# Altium PCB Motherboard.PcbDoc (part 1 of 3)
Units mm, origin at the board's own origin, x right, y up, seen from the top; angles counter-clockwise.
Board outline 66 x 126 mm, 6 copper layers (Top Layer, GND1, Signal, PWR, GND2, Bottom Layer), stack 1.496 mm thick; 239 components, 210 nets, 1046 pads, 630 vias.
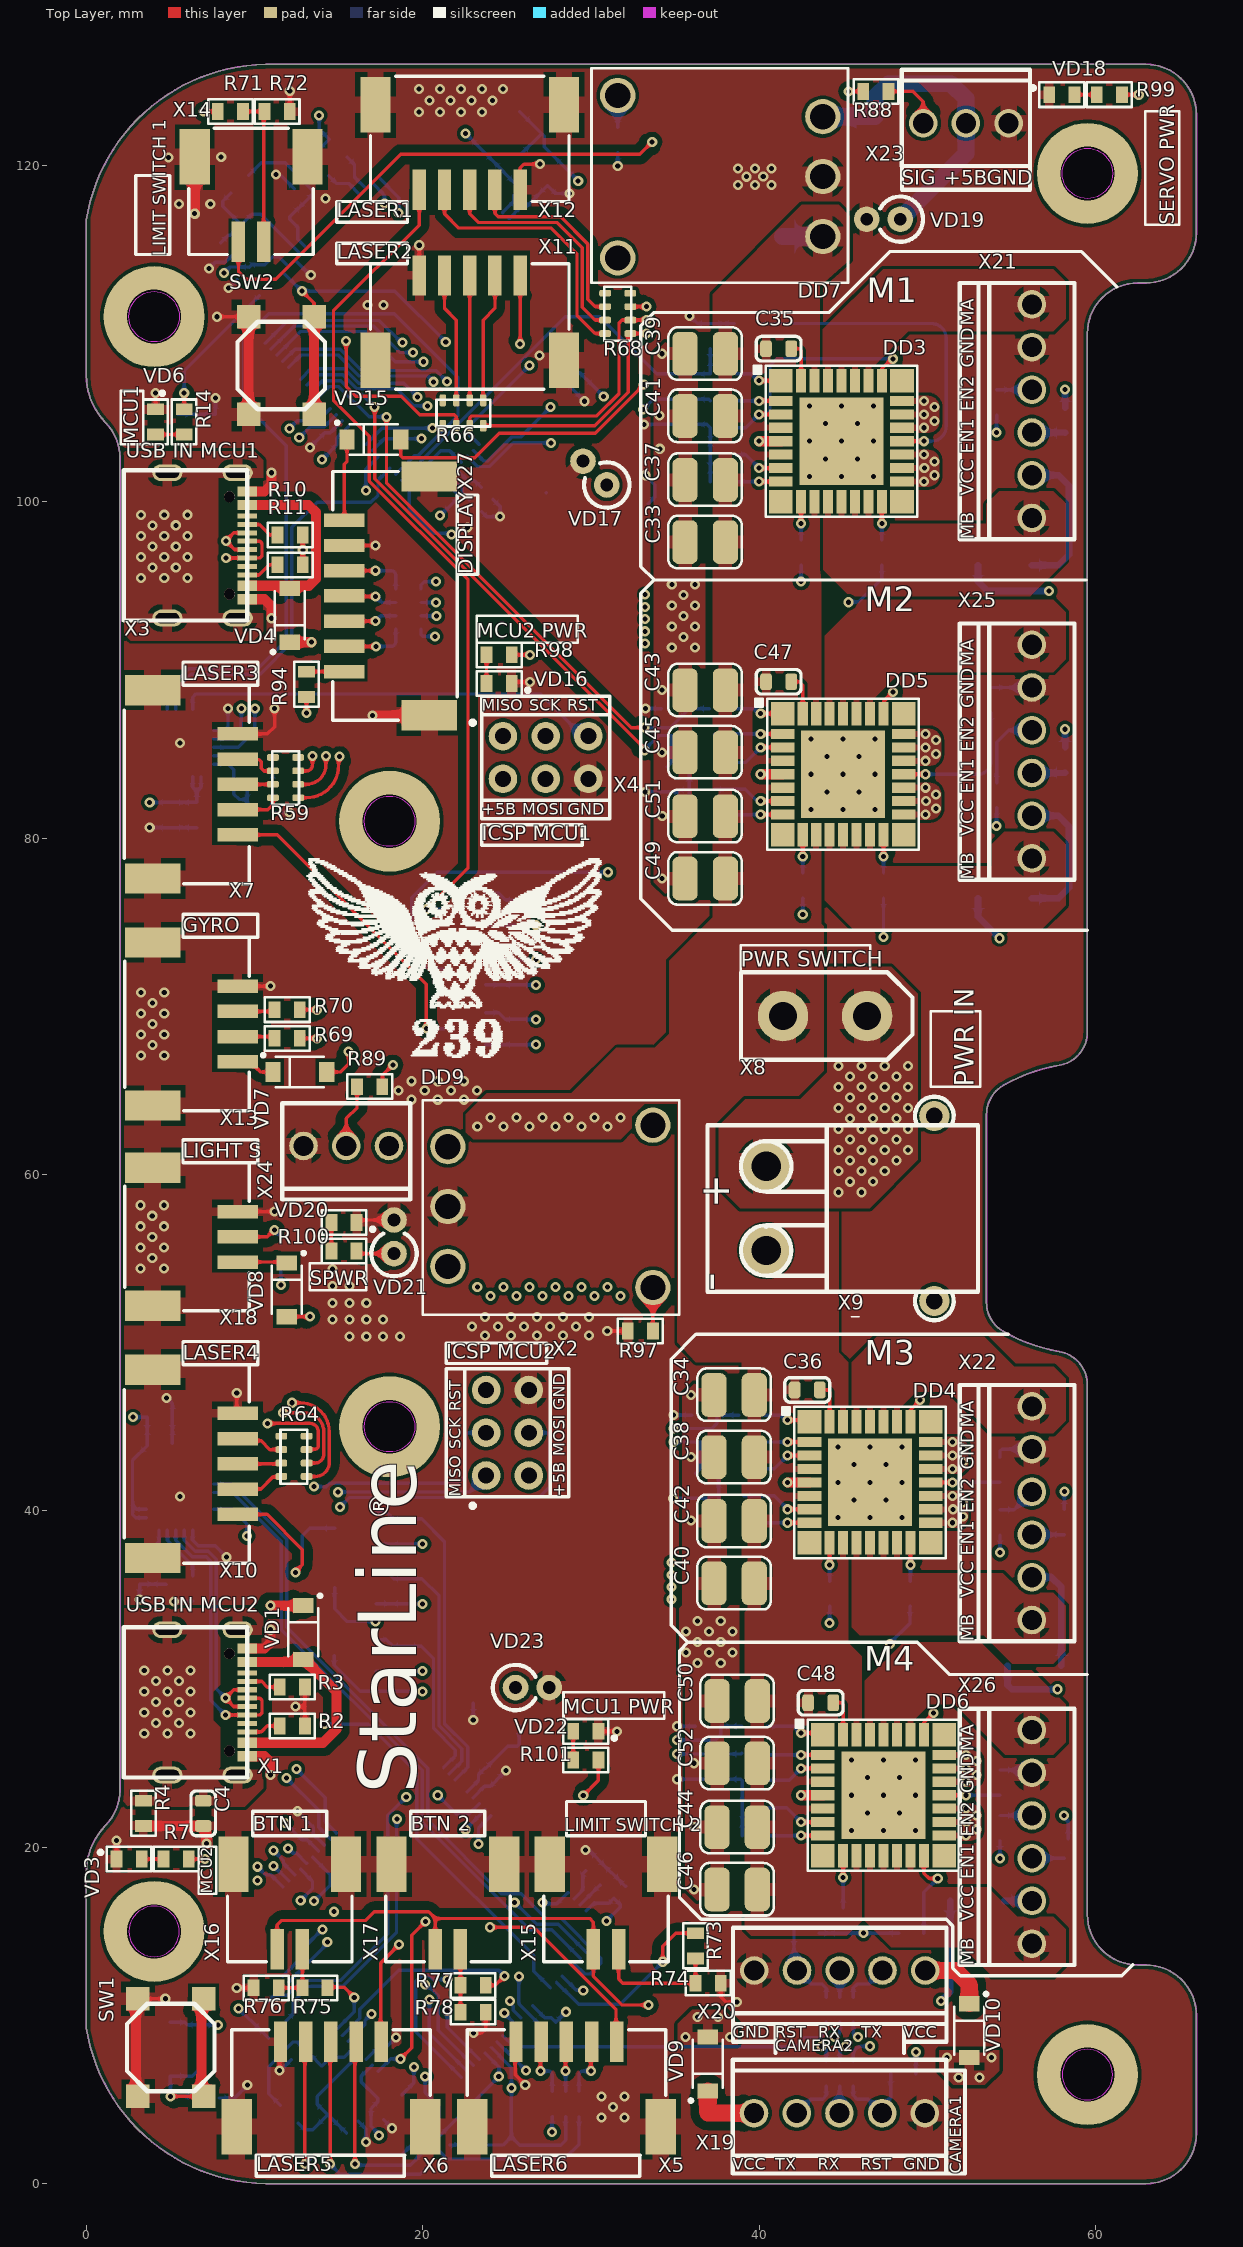
[diagram p0: Top Layer view]
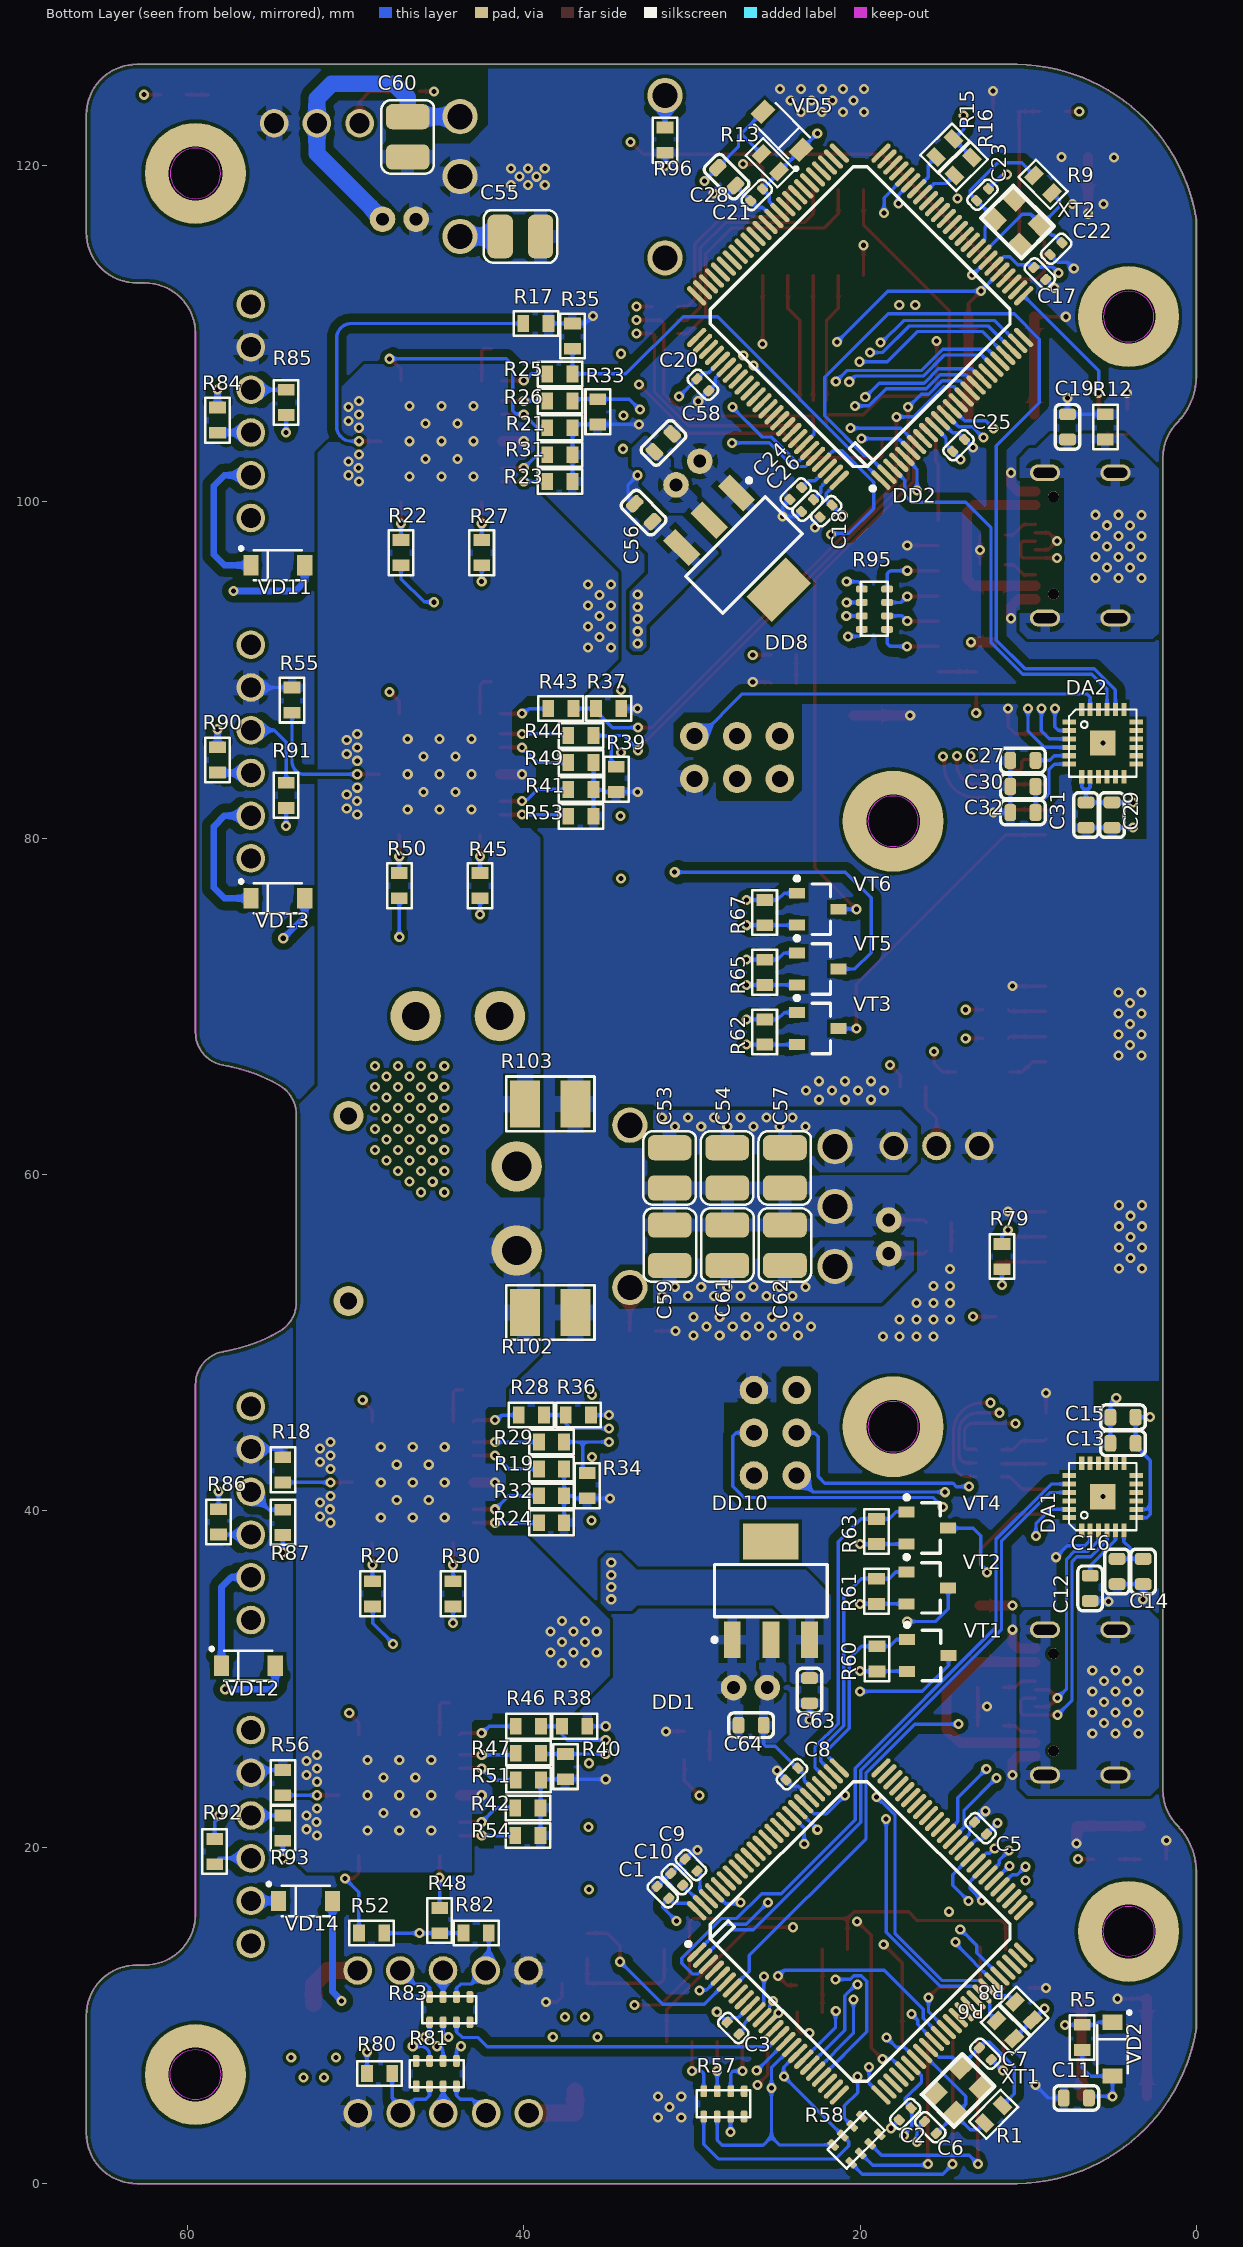
[diagram p1: Bottom Layer view, seen from below]
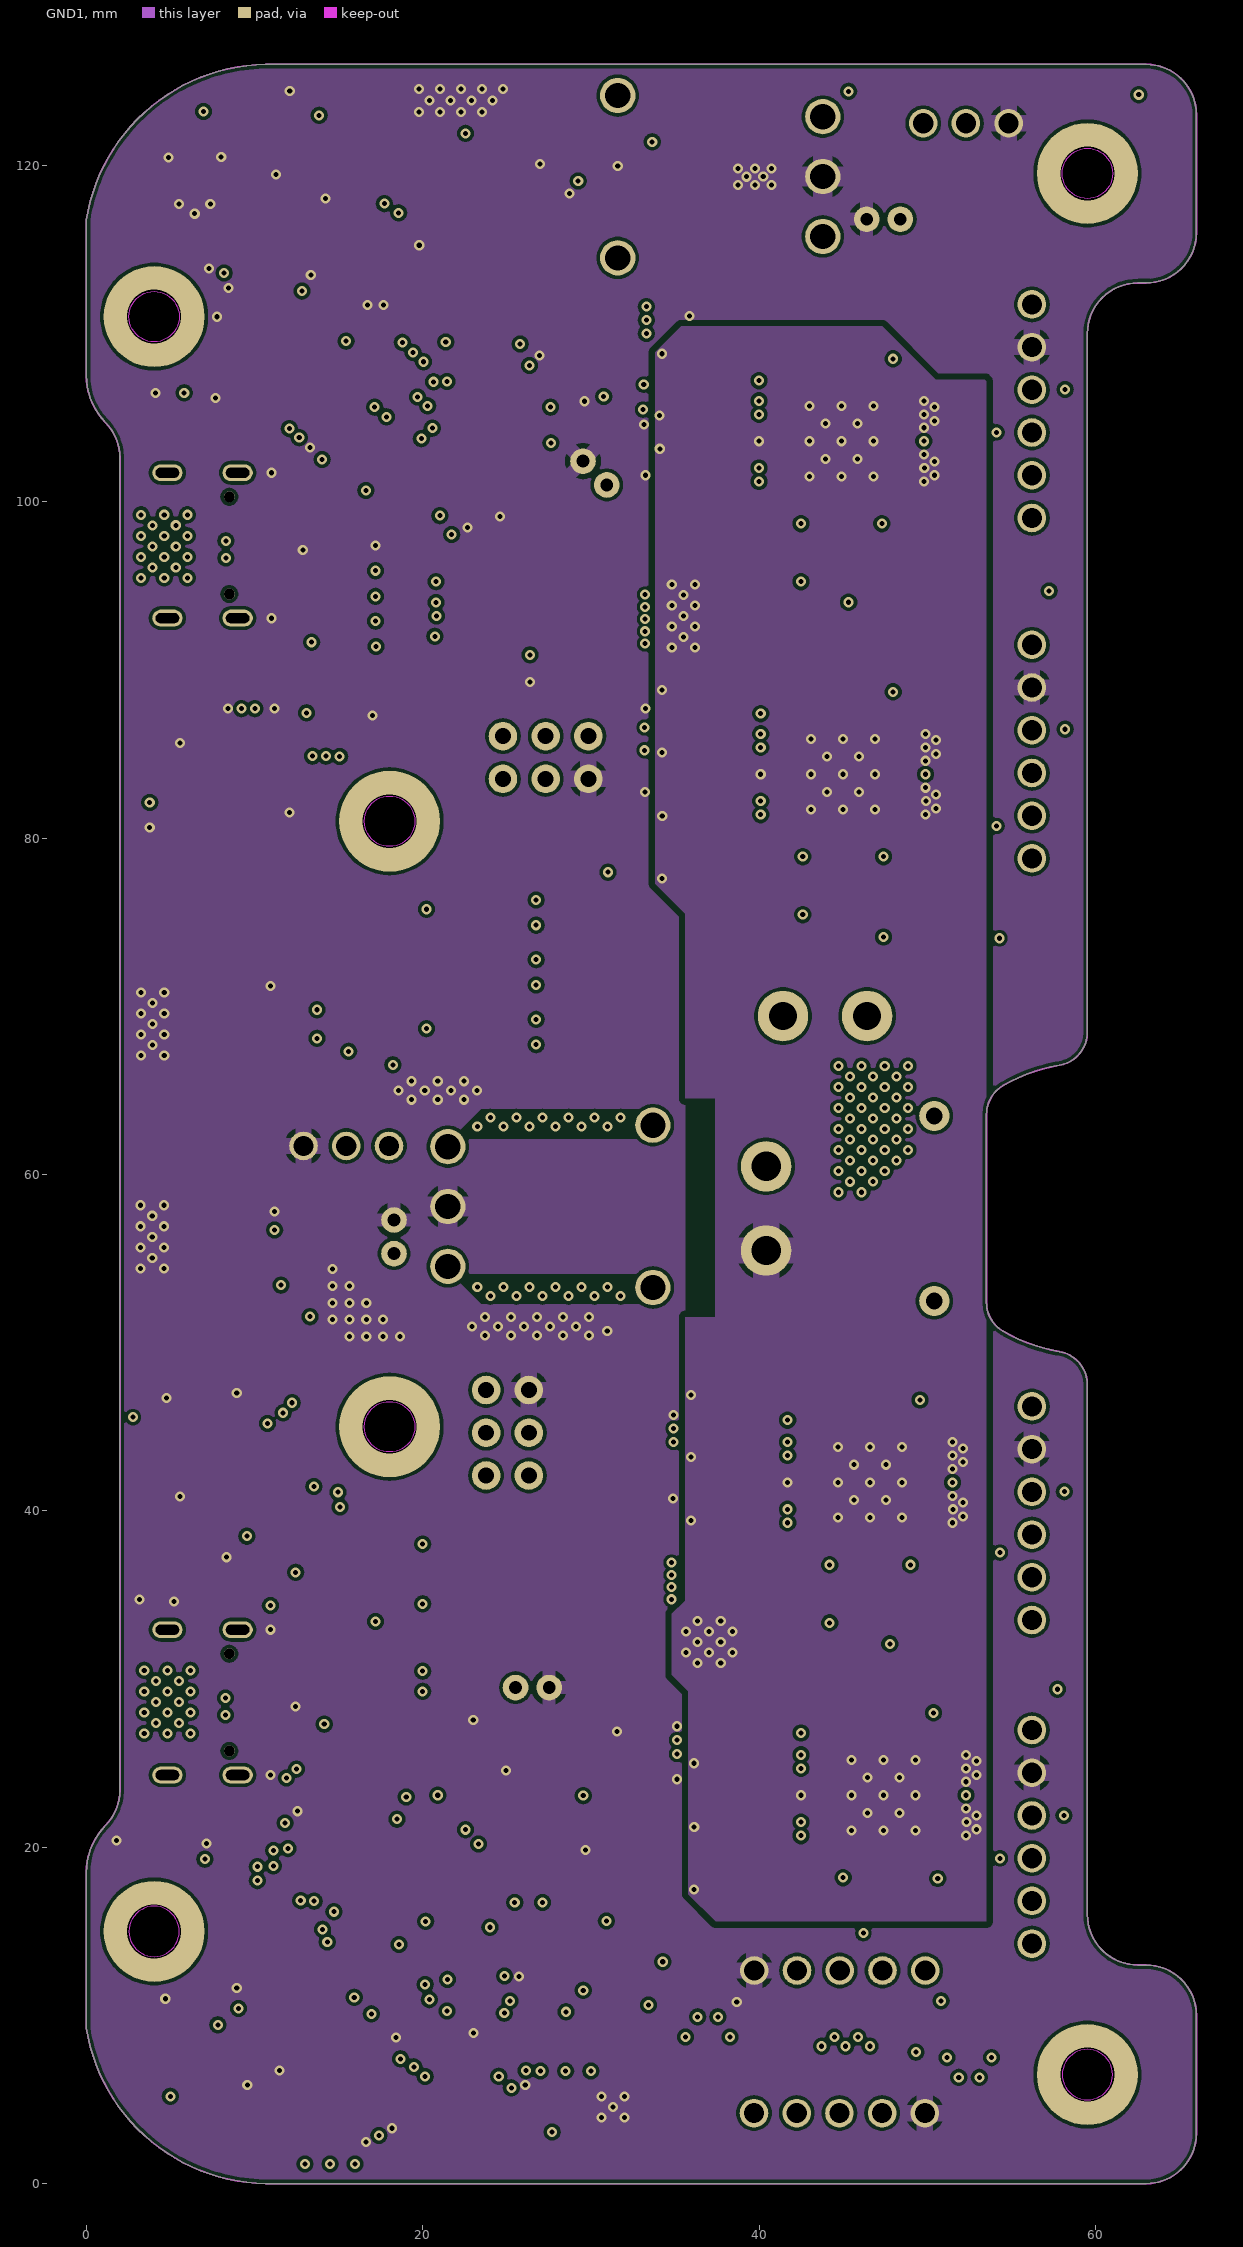
[diagram p2: GND1]
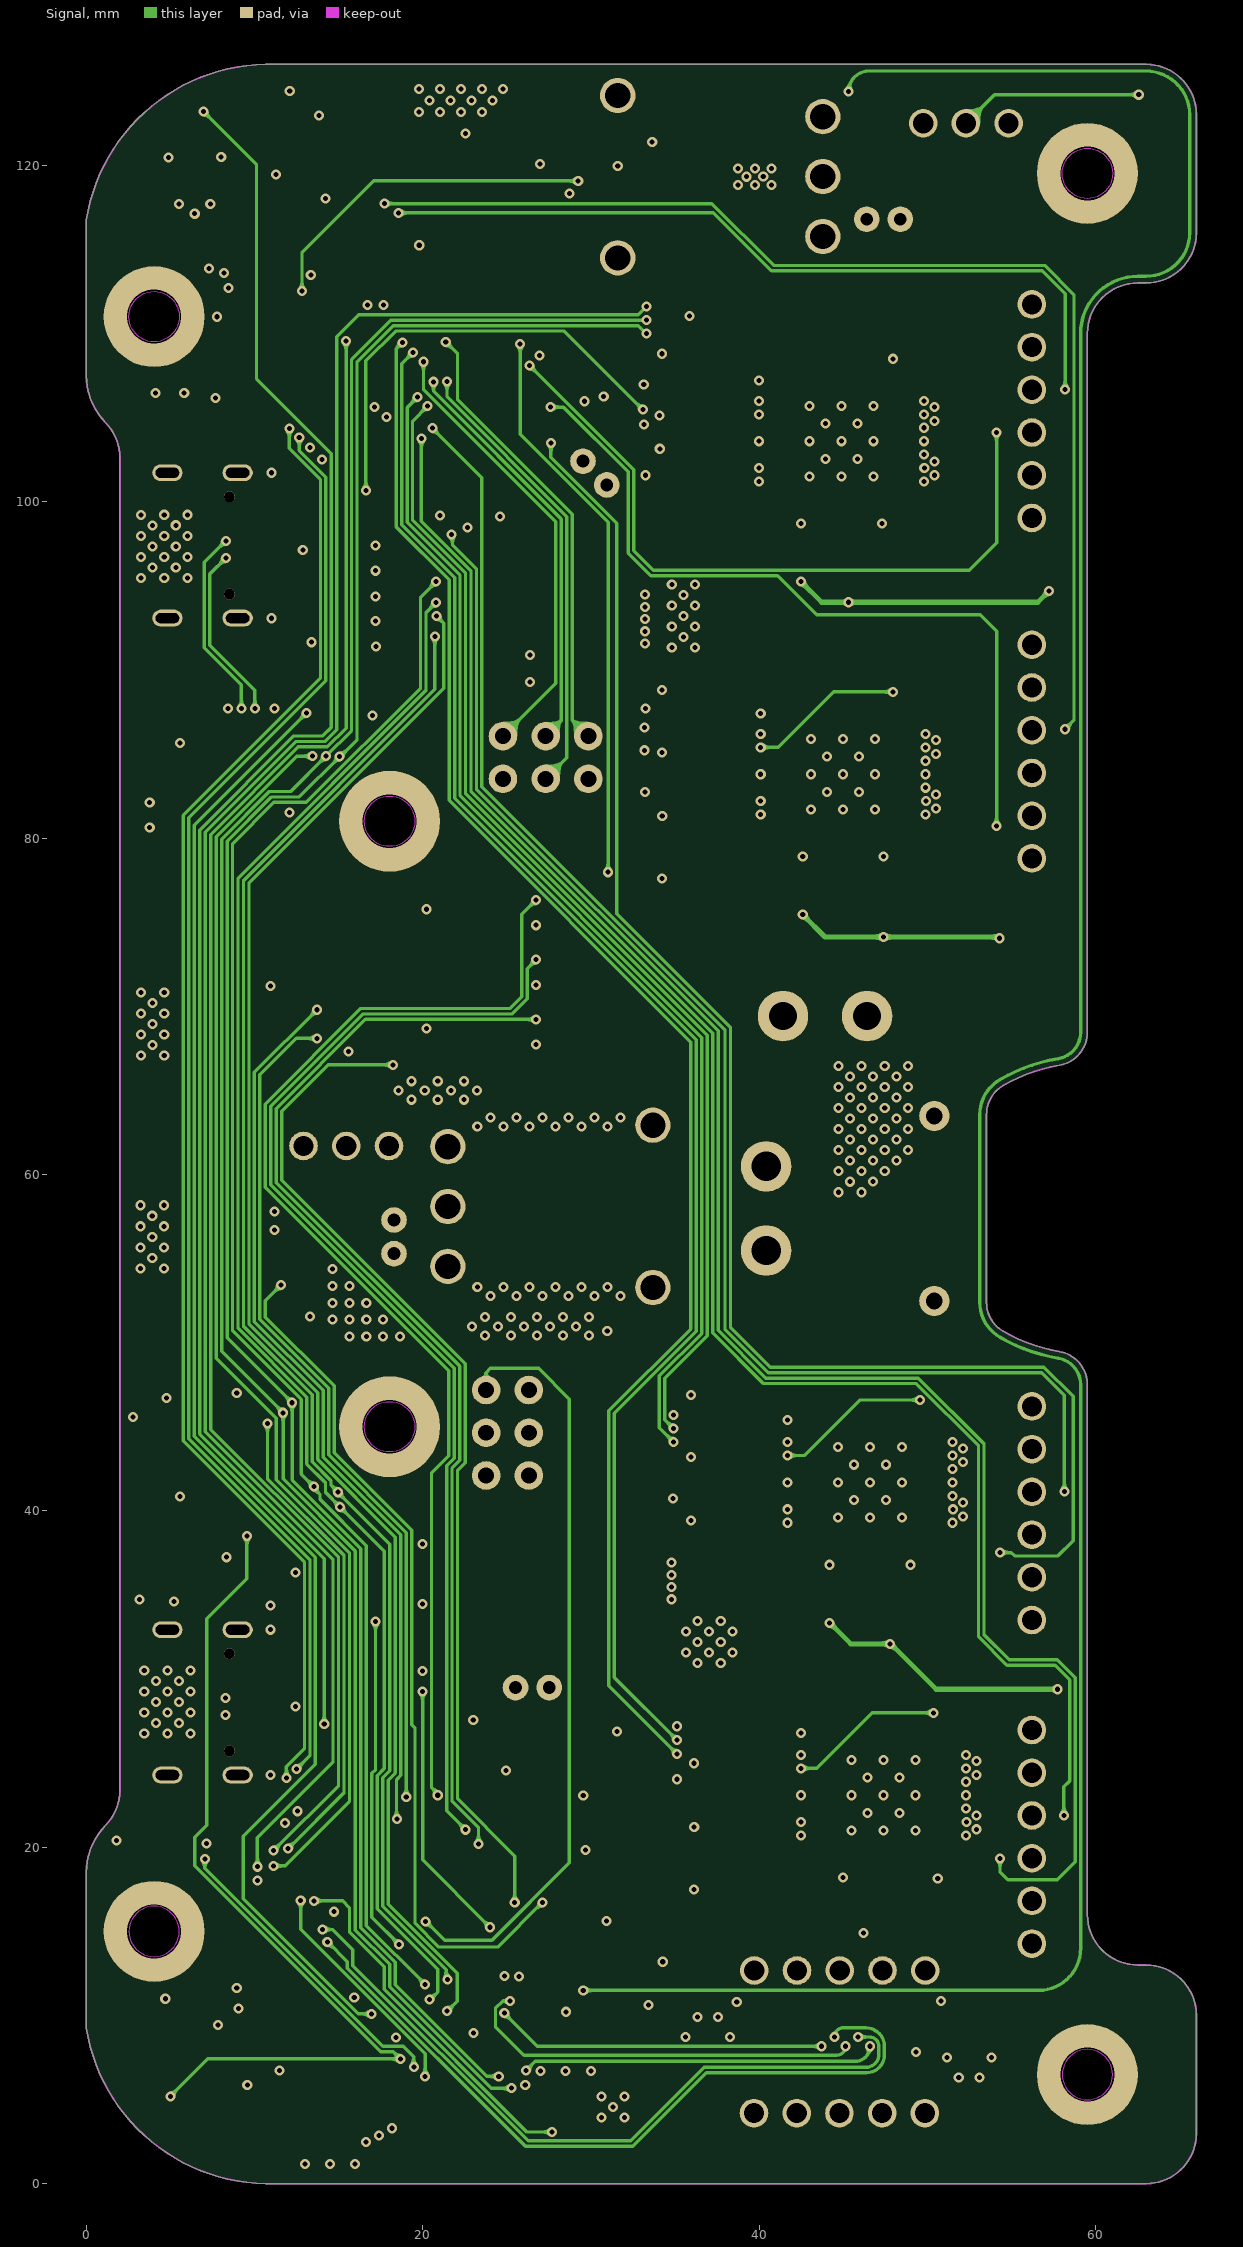
[diagram p3: Signal]
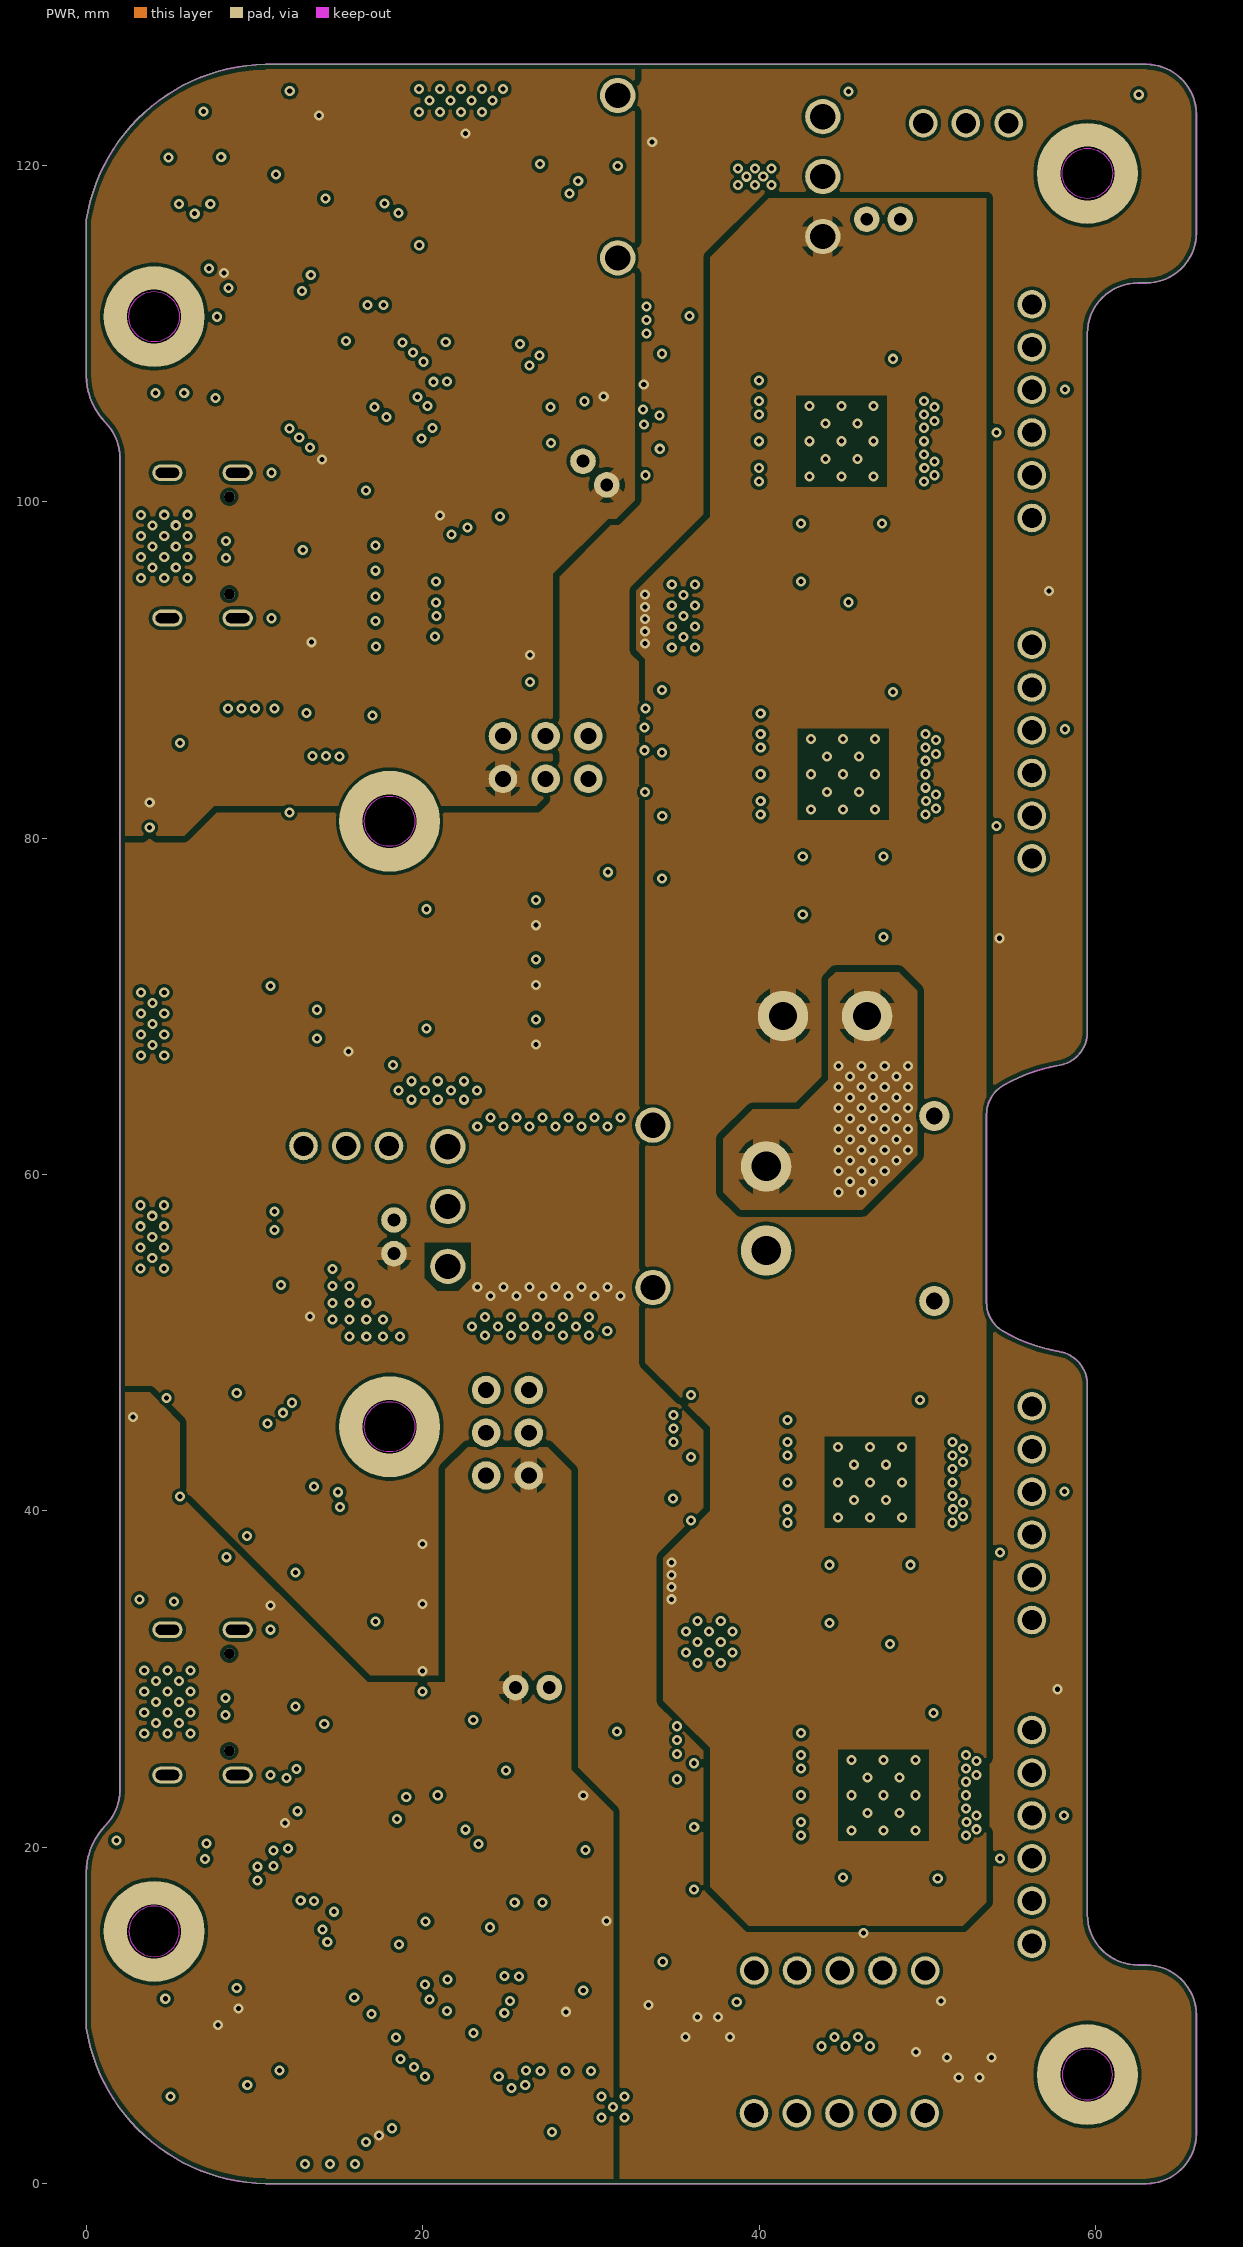
[diagram p4: PWR]
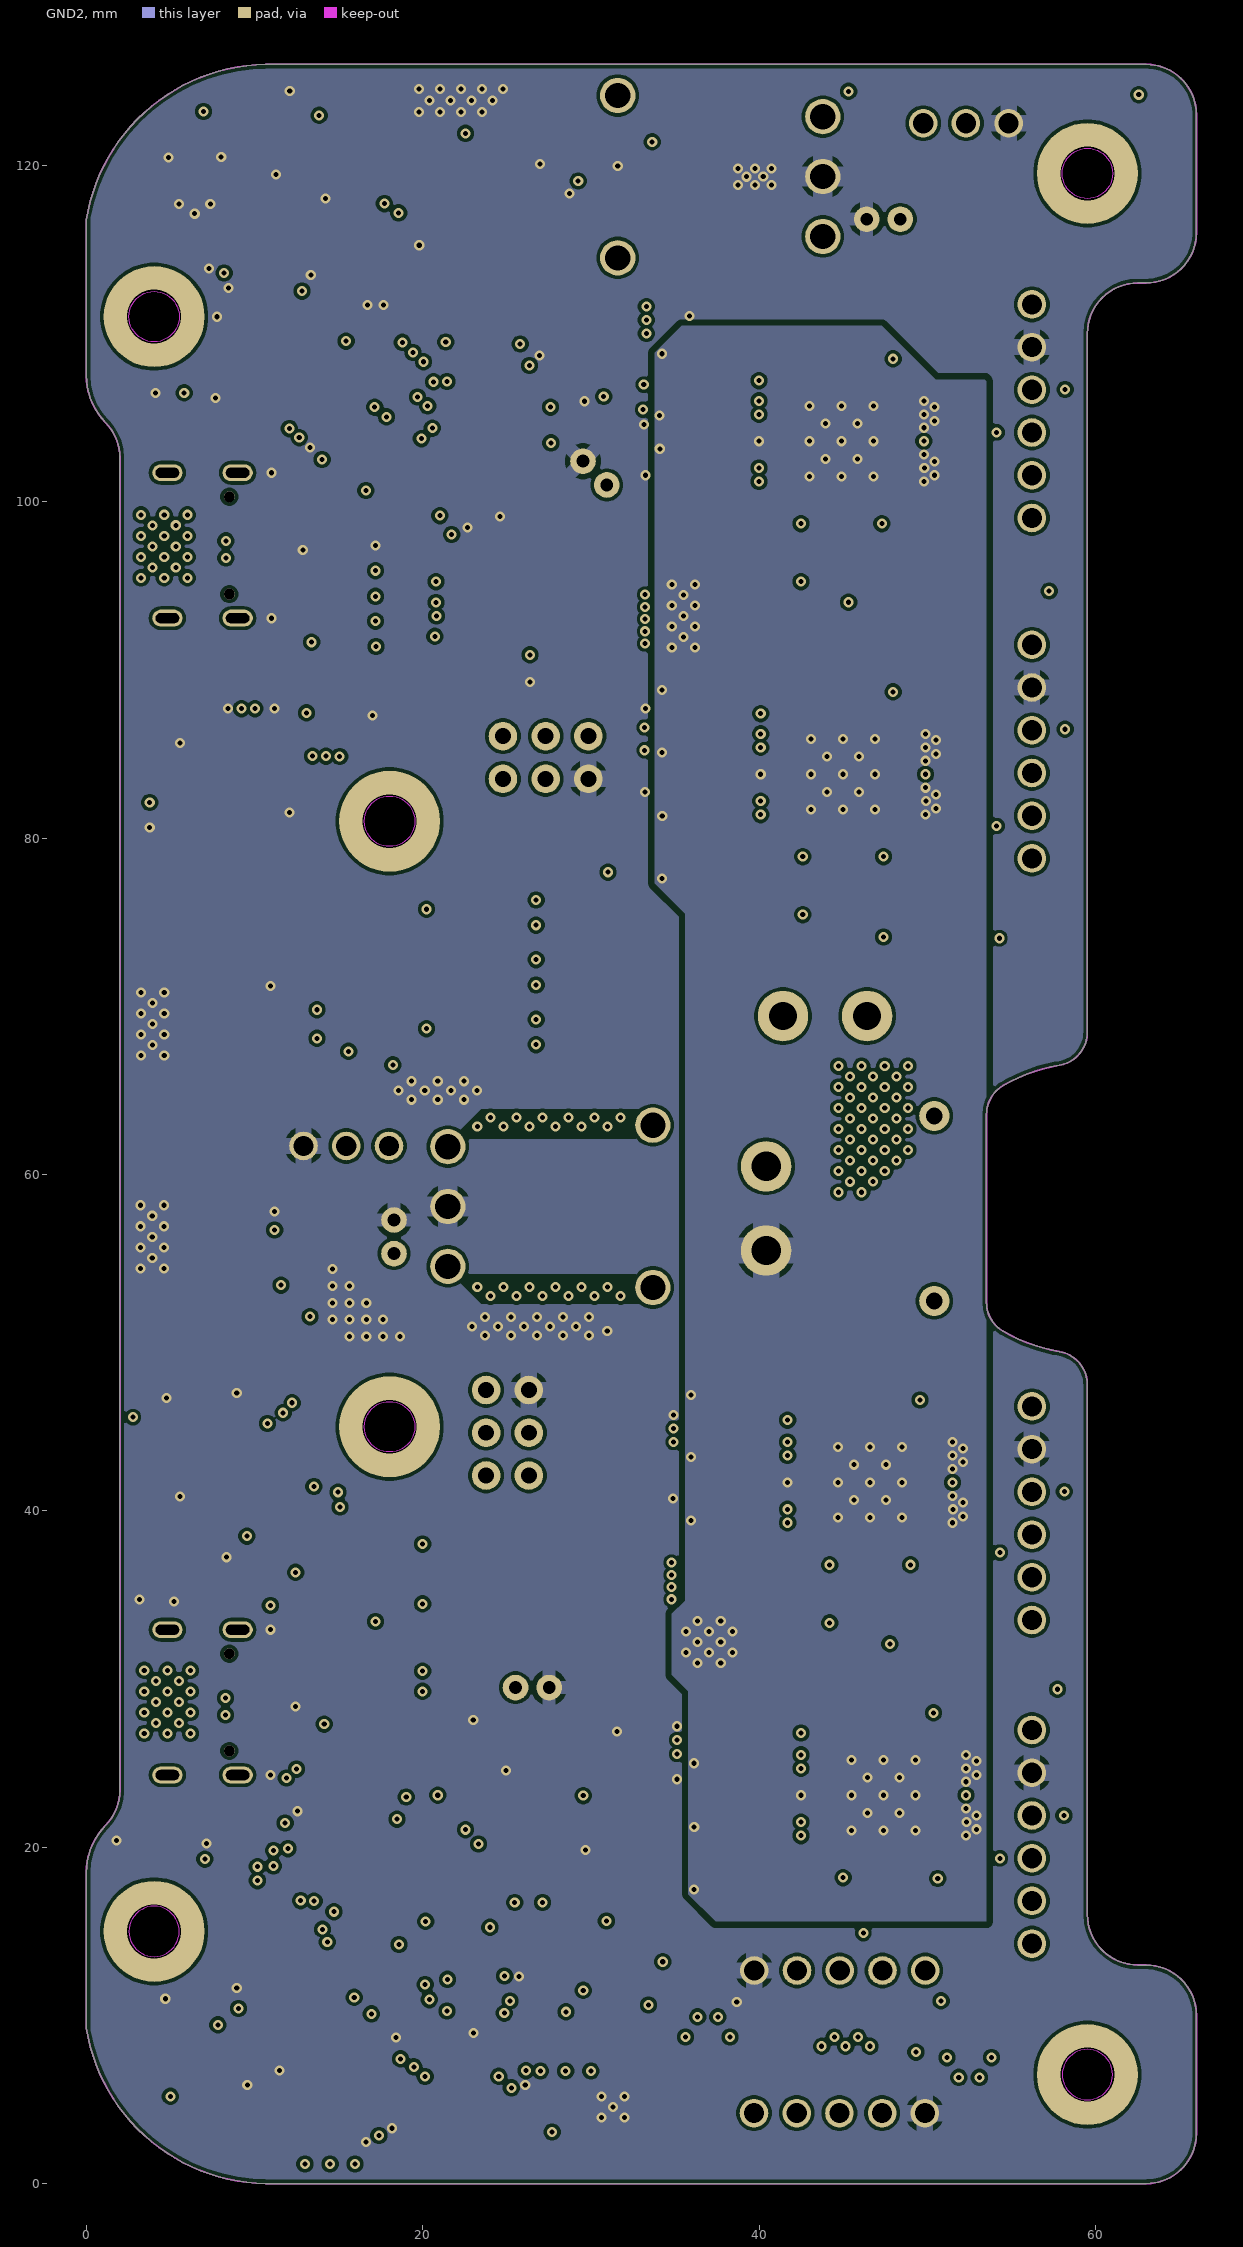
[diagram p5: GND2]

## Layer stack, top to bottom
Top Solder: solder mask 0.0102, Solder Resist, Dk 3.5
Top Layer: signal copper 0.0356
Dielectric 2: prepreg 0.0711, PP-006, Dk 4.1
GND1: signal copper 0.035
Dielectric 3: prepreg 0.0711, PP-006, Dk 4.1
Signal: signal copper 0.035
Dielectric 1: dielectric 1, FR-4, Dk 4.8
PWR: signal copper 0.035
Dielectric 4: prepreg 0.0711, PP-006, Dk 4.1
GND2: signal copper 0.035
Dielectric 5: prepreg 0.0711, PP-006, Dk 4.1
Bottom Layer: signal copper 0.0356
Bottom Solder: solder mask 0.0102, Solder Resist, Dk 3.5

## Board outline
0.006,9.246 0.006,18.507 cw(c4.006,18.507) 1.149,21.307 ccw(c-0.994,23.406) 2.006,23.406 2.006,102.606 ccw(c-0.994,102.606) 1.149,104.706 cw(c4.006,107.505) 0.006,107.505 0.006,116.767 cw(c10.865,115.008) 10.663,126.006 63.006,126.006 cw(c63.006,123.006) 66.006,123.006 66.006,116.006 cw(c63.006,116.006) 63.006,113.006 62.521,113.006 ccw(c62.521,110.006) 59.521,110.006 59.521,68.469 cw(c57.521,68.469) 57.855,66.496 ccw(c59.521,56.636) 54.521,65.297 ccw(c55.521,63.565) 53.521,63.565 53.521,52.408 ccw(c55.521,52.408) 54.521,50.676 ccw(c59.521,59.336) 57.855,49.476 cw(c57.521,47.504) 59.521,47.504 59.521,16.006 ccw(c62.521,16.006) 62.521,13.006 63.006,13.006 cw(c63.006,10.006) 66.006,10.006 66.006,3.006 cw(c63.006,3.006) 63.006,0.006 10.663,0.006 cw(c10.865,11.005)
cut-out: 4.036,13.506 ccw(c4.036,15.006) 5.536,15.006 ccw(c4.036,15.006) 4.036,16.506 ccw(c4.036,15.006) 2.536,15.006 ccw(c4.036,15.006)
cut-out: 59.521,118.021 cw(c59.521,119.521) 58.021,119.521 cw(c59.521,119.521) 59.521,121.021 cw(c59.521,119.521) 61.021,119.521 cw(c59.521,119.521)
cut-out: 4.036,109.506 cw(c4.036,111.006) 2.536,111.006 cw(c4.036,111.006) 4.036,112.506 cw(c4.036,111.006) 5.536,111.006 cw(c4.036,111.006)
cut-out: 18.036,79.506 cw(c18.036,81.006) 16.536,81.006 cw(c18.036,81.006) 18.036,82.506 cw(c18.036,81.006) 19.536,81.006 cw(c18.036,81.006)
cut-out: 18.036,43.506 cw(c18.036,45.006) 16.536,45.006 cw(c18.036,45.006) 18.036,46.506 cw(c18.036,45.006) 19.536,45.006 cw(c18.036,45.006)
cut-out: 58.021,6.491 ccw(c59.521,6.491) 59.521,4.991 ccw(c59.521,6.491) 61.021,6.491 ccw(c59.521,6.491) 59.521,7.991 ccw(c59.521,6.491)
